# Altium PCB AD9434-500.PcbDoc (part 2 of 2)
Units mm, origin at the board's own origin, x right, y up, seen from the top; angles counter-clockwise.
Board outline 58.29 x 40.26 mm, 4 copper layers (Top Layer, Layer 1, Layer 2, Bottom Layer), stack 1.603 mm thick; 105 components, 73 nets, 544 pads, 963 vias.
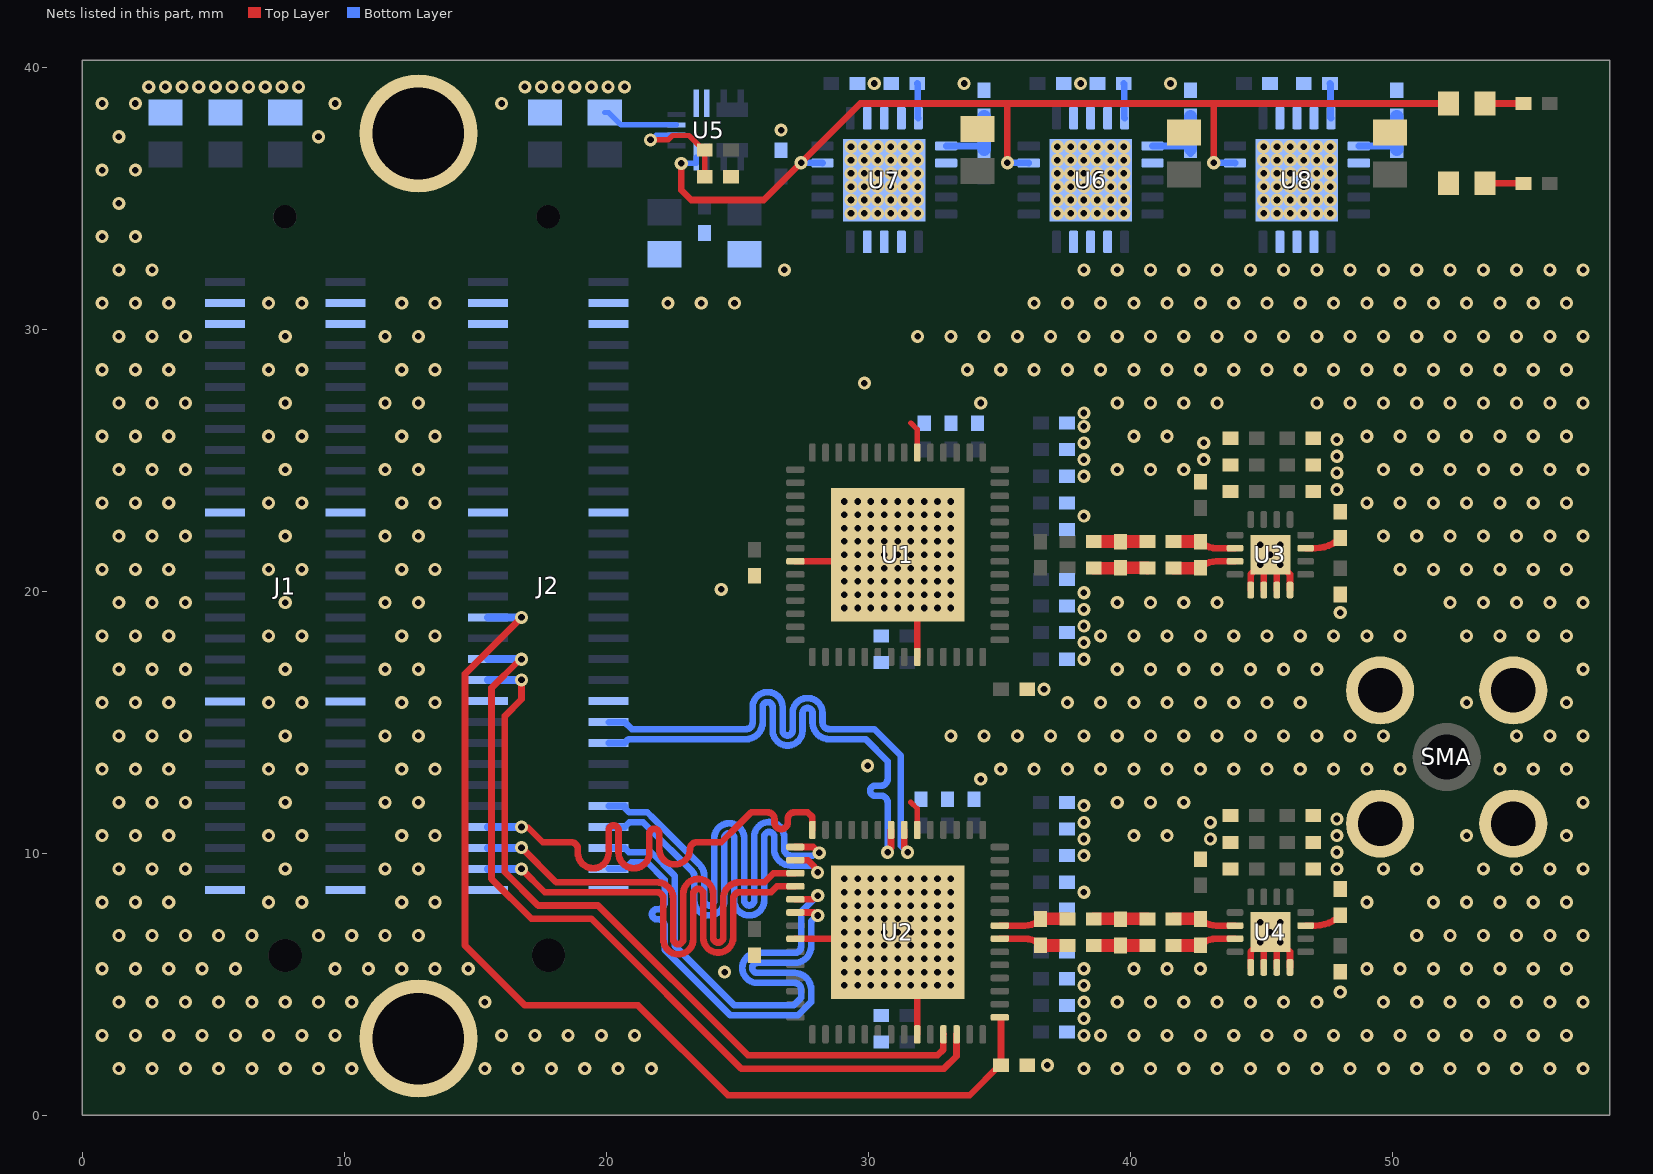
[diagram p4: the nets of this part, all layers, seen from the top]

## Via types
v1: diameter 0.5, hole 0.25, Top Layer to Bottom Layer, tented both sides, 963 vias

## Nets (pads, with @x,y where several pads share a name; then routed paths per layer and width w, separated by ;. In a path a pad name is that pad's centre, name@x,y a point inside that pad or via, vN(x,y) a via of type N, cw(c..) or ccw(c..) an arc to the next point about the centre after c; other vN are vias at no path point) (continued)
B_D2/D8_P: J2.57 U2.56 | length 20.4
  Top Layer w0.254: v1(16.764,10.998) 16.792,10.97 17.019,10.97 17.556,10.433 17.575,10.414 18.659,10.414 cw(c18.659,10.16) 18.913,10.16 18.913,10.01 ccw(c19.5,10.01) 19.5,9.424 ccw(c19.5,10.01) 20.087,10.01 20.087,10.87 cw(c20.277,10.87) 20.277,11.06 cw(c20.277,10.87) 20.468,10.87 20.468,10.01 ccw(c21.054,10.01) 21.054,9.424 ccw(c21.054,10.01) 21.641,10.01 21.641,10.74 cw(c21.832,10.74) 21.832,10.93 cw(c21.832,10.74) 22.022,10.74 22.022,10.16 ccw(c22.609,10.16) 22.609,9.573 ccw(c22.609,10.16) 23.196,10.16 cw(c23.45,10.16) 23.45,10.414 24.384,10.414 25.058,11.088 25.527,11.557 26.162,11.557 cw(c26.162,11.303) 26.416,11.303 26.416,11.172 ccw(c26.67,11.172) 26.924,11.172 26.924,11.303 cw(c27.178,11.303) 27.178,11.557 27.686,11.557 27.863,11.38 27.863,10.887 U2.56@27.865,10.885
  Bottom Layer w0.305: J2.57@15.491,11 v1@16.763,11
  Bottom Layer w0.381: v1@16.763,11 v1(16.764,10.998)
B_D3/D9_N: J2.26 U2.1 | length 20.5
  Top Layer w0.254: U2.1@27.215,10.235 27.896,10.235 28.118,10.013 v1(28.126,10.013)
  Bottom Layer w0.254: J2.26@20.09,11.801 20.699,11.801 20.725,11.775 20.725,11.706 20.874,11.557 21.566,11.557 21.583,11.54 21.806,11.317 23.552,9.571 cw(c23.103,9.122) 23.738,9.122 23.738,8.195 ccw(c23.929,8.195) 23.929,8.005 ccw(c23.929,8.195) 24.119,8.195 24.119,10.569 cw(c24.691,10.569) 24.691,11.141 cw(c24.691,10.569) 25.262,10.569 25.262,8.195 ccw(c25.453,8.195) 25.453,8.005 ccw(c25.453,8.195) 25.643,8.195 25.643,10.619 cw(c26.215,10.619) 26.215,11.19 cw(c26.215,10.619) 26.786,10.619 26.786,10.16 ccw(c27.04,10.16) 27.04,9.906 27.871,9.906
B_D3/D9_P: J2.27 U2.2 | length 20.5
  Top Layer w0.254: U2.2@27.215,9.735 27.689,9.735 27.94,9.483 27.94,9.457 28.063,9.334 v1(28.063,9.267)
  Bottom Layer w0.254: J2.27@20.09,11.001 20.699,11.001 J2.27@20.725,11.026 ; J2.27@20.725,11.027 20.874,11.176 21.408,11.176 21.425,11.159 21.579,11.005 23.283,9.301 cw(c23.103,9.122) 23.357,9.122 23.357,8.195 ccw(c23.929,8.195) 23.929,7.624 ccw(c23.929,8.195) 24.5,8.195 24.5,10.569 cw(c24.691,10.569) 24.691,10.76 cw(c24.691,10.569) 24.881,10.569 24.881,8.195 ccw(c25.453,8.195) 25.453,7.624 ccw(c25.453,8.195) 26.024,8.195 26.024,10.619 cw(c26.215,10.619) 26.215,10.809 cw(c26.215,10.619) 26.405,10.619 26.405,10.16 ccw(c27.04,10.16) 27.04,9.525 27.871,9.525
B_D4/D10_N: J2.58 U2.3 | length 20.6
  Top Layer w0.254: v1(16.764,10.211) 18.085,8.89 20.84,8.89 21.92,8.89 cw(c21.92,8.255) 22.555,8.255 22.555,6.716 ccw(c22.745,6.716) 22.936,6.716 22.936,8.446 cw(c23.507,8.446) 24.079,8.446 24.079,6.777 ccw(c24.269,6.777) 24.46,6.777 24.46,8.255 cw(c25.095,8.255) 25.095,8.89 25.893,8.89 26.035,8.89 26.38,9.235 U2.3@27.215,9.235
  Bottom Layer w0.305: J2.58@15.49,10.201 v1@16.754,10.201
  Bottom Layer w0.381: v1@16.759,10.206 v1(16.764,10.211)
B_D4/D10_P: J2.59 U2.4 | length 20.4
  Top Layer w0.254: v1(16.764,9.398) 17.653,8.509 20.84,8.509 21.92,8.509 cw(c21.92,8.255) 22.174,8.255 22.174,6.716 ccw(c22.745,6.716) 23.317,6.716 23.317,8.446 cw(c23.507,8.446) 23.698,8.446 23.698,6.777 ccw(c24.269,6.777) 24.841,6.777 24.841,8.255 cw(c25.095,8.255) 25.095,8.509 25.893,8.509 26.289,8.509 26.515,8.735 U2.4@27.215,8.735
  Bottom Layer w0.305: J2.59@15.491,9.399 v1@16.763,9.399
  Bottom Layer w0.381: v1@16.763,9.399 v1(16.764,9.398)
B_D5/D11_N: J2.28 U2.5 | length 20.4
  Top Layer w0.254: U2.5@27.215,8.235 27.88,8.235 28.027,8.382 v1(28.067,8.382)
  Bottom Layer w0.254: J2.28@20.09,10.201 20.699,10.201 20.867,10.033 21.717,10.033 22.606,9.144 22.606,6.477 24.892,4.191 27.147,4.191 27.435,4.479 27.435,4.796 ccw(c27.181,4.796) 27.181,5.05 25.761,5.05 cw(c25.761,5.622) 25.19,5.622 cw(c25.761,5.622) 25.761,6.193 27.181,6.193 ccw(c27.181,6.447) 27.435,6.447 27.435,7.354 27.435,7.75 v1(28.067,8.382)
B_D5/D11_P: J2.29 U2.6 | length 20.7
  Top Layer w0.254: U2.6@27.215,7.735 27.912,7.735 28.027,7.62 v1(28.067,7.62)
  Bottom Layer w0.254: J2.29@20.09,9.401 20.699,9.401 20.951,9.652 21.559,9.652 22.225,8.986 22.225,8.621 22.225,8.113 cw(c21.971,8.113) 21.971,7.859 21.935,7.859 ccw(c21.935,7.668) 21.935,7.478 21.971,7.478 cw(c21.971,7.224) 22.225,7.224 22.225,6.464 22.225,6.319 24.734,3.81 27.305,3.81 27.816,4.321 27.816,4.479 27.816,4.796 ccw(c27.181,4.796) 27.181,5.431 25.761,5.431 cw(c25.761,5.622) 25.571,5.622 cw(c25.761,5.622) 25.761,5.812 27.181,5.812 ccw(c27.181,6.447) 27.816,6.447 27.816,7.354 27.816,7.398 28.038,7.62 v1(28.067,7.62)
B_DCO_N: J2.22 U2.49 | length 20.7
  Top Layer w0.254: U2.49@31.365,10.885 31.365,10.204 31.496,10.073 v1(31.496,10.033)
  Bottom Layer w0.254: J2.22@20.09,15.001 20.699,15.001 20.968,14.732 25.013,14.732 25.33,14.732 ccw(c25.33,14.986) 25.584,14.986 25.584,15.574 cw(c26.156,15.574) 26.727,15.574 26.727,14.68 ccw(c26.918,14.68) 27.108,14.68 27.108,15.348 cw(c27.68,15.348) 28.251,15.348 28.251,14.986 ccw(c28.505,14.986) 28.505,14.732 29.874,14.732 30.226,14.732 31.242,13.716 31.242,10.287 v1(31.496,10.033)
B_DCO_P: J2.23 U2.50 | length 20.7
  Top Layer w0.254: v1(30.734,10.033) 30.734,10.073 30.865,10.204 U2.50@30.865,10.885
  Bottom Layer w0.254: J2.23@20.09,14.201 20.699,14.201 20.85,14.351 25.013,14.351 25.33,14.351 ccw(c25.33,14.986) 25.965,14.986 25.965,15.574 cw(c26.156,15.574) 26.346,15.574 26.346,14.68 ccw(c26.918,14.68) 27.489,14.68 27.489,15.348 cw(c27.68,15.348) 27.87,15.348 27.87,14.986 ccw(c28.505,14.986) 28.505,14.351 29.874,14.351 29.889,14.351 30.734,13.506 30.734,13.335 30.734,12.827 cw(c30.48,12.827) 30.48,12.573 30.26,12.573 ccw(c30.26,12.382) 30.26,12.192 30.48,12.192 cw(c30.48,11.938) 30.734,11.938 30.734,11.176 v1(30.734,10.033)
B_IN_N: C48.2 L8.2 U2.36 | length 2.7
  Top Layer w0.254: U2.36@35.015,7.235 35.972,7.235 ccw(c35.972,8.089) C48.2@36.576,7.485 C48.2@36.584,7.493
  Top Layer w0.483: C48.2@36.584,7.493 L8.2@37.6,7.493
B_IN_P: C48.1 L6.2 U2.35 | length 2.7
  Top Layer w0.254: U2.35@35.015,6.735 35.972,6.735 cw(c35.972,5.881) C48.1@36.576,6.485 C48.1@36.584,6.477
  Top Layer w0.483: C48.1@36.584,6.477 L6.2@37.6,6.477
B_PWDN: J2.47 R2.2 U2.29 | length 39.9
  Top Layer w0.254: v1(16.764,18.999) 14.605,16.84 14.605,6.477 16.891,4.191 21.209,4.191 24.638,0.762 33.867,0.762 35.01,1.905 R2.2@35.06,1.905 35.06,3.733 35.058,3.735 U2.29@35.015,3.735
  Bottom Layer w0.305: J2.47@15.49,19.001 16.762,19.001 v1(16.764,18.999)
B_SCLK: J2.49 U2.26 | length 31.9
  Top Layer w0.254: v1(16.764,17.399) 16.724,17.399 16.651,17.326 16.64,17.326 15.621,16.307 15.621,9.017 17.137,7.501 19.423,7.501 25.146,1.778 32.893,1.778 33.365,2.25 U2.26@33.365,3.085
  Bottom Layer w0.305: J2.49@15.49,17.401 16.762,17.401 v1(16.764,17.399)
B_SDIO: J2.50 U2.25 | length 29.2
  Top Layer w0.254: v1(16.764,16.612) 16.764,15.875 16.129,15.24 16.129,9.271 17.399,8.001 19.685,8.001 25.4,2.286 32.639,2.286 32.863,2.51 32.863,3.083 U2.25@32.865,3.085
  Bottom Layer w0.305: J2.50@15.49,16.601 16.753,16.601 v1(16.764,16.612)
GND: C1.2 C2.2 C3.2 C4.2 C5.2 C6.2 C7.2 C8.2 C9.2 C10.2 C11.2 C12.2 C13.2 C14.2 C15.2 C16.2 C17.2 C18.2 C19.2 C20.2 C21.2 C22.2 C23.2 C24.2 C25.2 C26.2 C27.2 C28.2 C29.2 C30.2 C31.2 C32.2 C33.2 C34.2 C35.2 C36.2 C37.2 C38.2 C39.2 C40.2 C41.2 C42.2 C49.2 C50.2 C51.2 C52.2 C53.2 C54.2 C55.2 C56.2 C57.2 C58.2 C59.2 C60.2 C61.2 C62.2 C63.2 C64.2 C65.2 C66.2 C67.2 C68.2 D2.1 J1.2 J1.3 J1.12 J1.21 J1.30 J1.32 J1.33 J1.42 J1.51 J1.60 J2.2 J2.3 J2.12 J2.21 J2.30 J2.32 J2.33 J2.42 J2.51 J2.60 pad.5 R1.1 R2.1 R3.2 R4.2 R5.2 R6.1 R8.2 R10.2 R12.2 R14.2 SMA.2 SMA.3 SMA.4 SMA.5 U1.8 U1.23 U1.48 U1.57 U2.8 U2.23 U2.48 U2.57 U3.13 U3.14 U3.15 U3.16 U3.17 U4.13 U4.14 U4.15 U4.16 U4.17 U5.1 U5.2 U5.11 U6.2 U6.3 U6.4 U6.12 U6.13 U6.14 U6.17 U6.21 U7.2 U7.3 U7.4 U7.12 U7.13 U7.14 U7.17 U7.21 U8.2 U8.3 U8.4 U8.12 U8.13 U8.14 U8.17 U8.21 | length 31.2
  Top Layer w0.203: 31.623,11.938 31.865,11.696 U2.48@31.865,10.885 ; 31.623,26.416 31.865,26.174 U1.48@31.865,25.287
  Top Layer w0.254: U2.8@27.215,6.735 29.333,6.735 v1(29.591,6.477) ; U1.8@27.215,21.137 30.865,21.137 v1(31.115,21.387) 31.865,20.637 U1.23@31.865,17.487 ; v1(31.115,6.985) 31.865,6.235 U2.23@31.865,3.085 ; U4.13@44.589,5.639 44.589,6.235 U4.17@45.089,6.735 ; U3.13@44.589,20.041 44.589,20.637 U3.17@45.089,21.137 ; U4.14@45.089,5.639 U4.17@45.089,6.735 ; U3.14@45.089,20.041 U3.17@45.089,21.137 ; U4.15@45.589,5.639 U4.17@45.589,6.735 ; U3.15@45.589,20.041 U3.17@45.589,21.137 ; U4.16@46.089,5.639 46.089,6.235 U4.17@45.589,6.735 ; U3.16@46.089,20.041 46.089,20.637 U3.17@45.589,21.137 ; U4.17@45.089,6.735 v1(45.339,6.985) U4.17@45.589,6.735 ; U3.17@45.089,21.137 v1(45.339,21.387) U3.17@45.589,21.137
  Bottom Layer w0.203: C67.2@19.939,38.265 20.089,38.265 20.562,37.792 U5.11@22.68,37.792
  other v1: 1.397,1.778 2.667,1.778 3.937,1.778 5.207,1.778 6.477,1.778 7.747,1.778 9.017,1.778 10.287,1.778 15.367,1.778 16.637,1.778 17.907,1.778 19.177,1.778 20.447,1.778 21.717,1.778 38.227,1.778 39.497,1.778 40.767,1.778 42.037,1.778 43.307,1.778 44.577,1.778 45.847,1.778 47.117,1.778 48.387,1.778 49.657,1.778 50.927,1.778 52.197,1.778 53.467,1.778 54.737,1.778 56.007,1.778 57.277,1.778 36.83,1.905 0.762,3.048 2.032,3.048 3.302,3.048 4.572,3.048 5.842,3.048 7.112,3.048 8.382,3.048 9.652,3.048 16.002,3.048 17.272,3.048 18.542,3.048 19.812,3.048 21.082,3.048 38.227,3.048 38.862,3.048 40.132,3.048 41.402,3.048 42.672,3.048 43.942,3.048 45.212,3.048 46.482,3.048 47.752,3.048 49.022,3.048 50.292,3.048 51.562,3.048 52.832,3.048 54.102,3.048 55.372,3.048 56.642,3.048 38.227,3.683 1.397,4.318 2.667,4.318 3.937,4.318 5.207,4.318 6.477,4.318 7.747,4.318 9.017,4.318 10.287,4.318 15.367,4.318 38.227,4.318 39.497,4.318 40.767,4.318 42.037,4.318 43.307,4.318 44.577,4.318 45.847,4.318 47.117,4.318 49.657,4.318 50.927,4.318 52.197,4.318 53.467,4.318 54.737,4.318 56.007,4.318 57.277,4.318 48.006,4.699 29.083,4.953 29.591,4.953 30.099,4.953 30.607,4.953 31.115,4.953 31.623,4.953 32.131,4.953 32.639,4.953 33.147,4.953 38.227,4.953 24.511,5.461 29.083,5.461 29.591,5.461 30.099,5.461 30.607,5.461 31.115,5.461 31.623,5.461 32.131,5.461 32.639,5.461 33.147,5.461 0.762,5.588 2.032,5.588 3.302,5.588 4.572,5.588 5.842,5.588 9.652,5.588 10.922,5.588 12.192,5.588 13.462,5.588 14.732,5.588 38.227,5.588 40.132,5.588 41.402,5.588 42.672,5.588 49.022,5.588 50.292,5.588 51.562,5.588 52.832,5.588 54.102,5.588 55.372,5.588 56.642,5.588 29.083,5.969 29.591,5.969 30.099,5.969 30.607,5.969 31.115,5.969 31.623,5.969 32.131,5.969 32.639,5.969 33.147,5.969 29.083,6.477 30.099,6.477 30.607,6.477 31.115,6.477 31.623,6.477 32.131,6.477 32.639,6.477 33.147,6.477 44.958,6.604 45.72,6.604 1.397,6.858 2.667,6.858 3.937,6.858 5.207,6.858 6.477,6.858 9.017,6.858 10.287,6.858 11.557,6.858 12.827,6.858 50.927,6.858 52.197,6.858 53.467,6.858 54.737,6.858 56.007,6.858 57.277,6.858 29.083,6.985 29.591,6.985 30.099,6.985 30.607,6.985 31.623,6.985 32.131,6.985 32.639,6.985 33.147,6.985 44.958,7.366 45.72,7.366 29.083,7.493 29.591,7.493 30.099,7.493 30.607,7.493 31.115,7.493 31.623,7.493 32.131,7.493 32.639,7.493 33.147,7.493 29.083,8.001 29.591,8.001 30.099,8.001 30.607,8.001 31.115,8.001 31.623,8.001 32.131,8.001 32.639,8.001 33.147,8.001 0.762,8.128 2.032,8.128 3.302,8.128 7.112,8.128 8.382,8.128 12.192,8.128 13.462,8.128 49.022,8.128 51.562,8.128 52.832,8.128 54.102,8.128 55.372,8.128 56.642,8.128 29.083,8.509 29.591,8.509 30.099,8.509 30.607,8.509 31.115,8.509 31.623,8.509 32.131,8.509 32.639,8.509 33.147,8.509 38.227,8.509 29.083,9.017 29.591,9.017 30.099,9.017 30.607,9.017 31.115,9.017 31.623,9.017 32.131,9.017 32.639,9.017 33.147,9.017 1.397,9.398 2.667,9.398 3.937,9.398 7.747,9.398 11.557,9.398 12.827,9.398 47.879,9.398 49.657,9.398 50.927,9.398 53.467,9.398 54.737,9.398 56.007,9.398 57.277,9.398 38.227,9.906 47.879,10.033 38.227,10.541 43.053,10.541 0.762,10.668 2.032,10.668 3.302,10.668 7.112,10.668 8.382,10.668 12.192,10.668 13.462,10.668 40.132,10.668 41.402,10.668 47.879,10.668 52.832,10.668 56.642,10.668 38.227,11.176 43.053,11.176 47.879,11.303 38.227,11.811 1.397,11.938 2.667,11.938 3.937,11.938 7.747,11.938 11.557,11.938 12.827,11.938 39.497,11.938 40.767,11.938 42.037,11.938 57.277,11.938 34.29,12.827 0.762,13.208 2.032,13.208 3.302,13.208 7.112,13.208 8.382,13.208 12.192,13.208 13.462,13.208 35.052,13.208 36.322,13.208 37.592,13.208 38.862,13.208 40.132,13.208 41.402,13.208 42.672,13.208 43.942,13.208 45.212,13.208 46.482,13.208 47.752,13.208 49.022,13.208 50.292,13.208 54.102,13.208 55.372,13.208 56.642,13.208 29.972,13.335 1.397,14.478 2.667,14.478 3.937,14.478 7.747,14.478 11.557,14.478 12.827,14.478 33.147,14.478 34.417,14.478 35.687,14.478 36.957,14.478 38.227,14.478 39.497,14.478 40.767,14.478 42.037,14.478 43.307,14.478 44.577,14.478 45.847,14.478 47.117,14.478 48.387,14.478 49.657,14.478 54.737,14.478 56.007,14.478 57.277,14.478 0.762,15.748 2.032,15.748 3.302,15.748 7.112,15.748 8.382,15.748 12.192,15.748 13.462,15.748 37.592,15.748 38.862,15.748 40.132,15.748 41.402,15.748 42.672,15.748 43.942,15.748 45.212,15.748 46.482,15.748 52.832,15.748 56.642,15.748 36.703,16.256 1.397,17.018 2.667,17.018 3.937,17.018 7.747,17.018 11.557,17.018 12.827,17.018 39.497,17.018 40.767,17.018 42.037,17.018 43.307,17.018 44.577,17.018 45.847,17.018 47.117,17.018 57.277,17.018 38.227,17.399 38.227,18.034 0.762,18.288 2.032,18.288 3.302,18.288 7.112,18.288 8.382,18.288 12.192,18.288 13.462,18.288 38.862,18.288 40.132,18.288 41.402,18.288 42.672,18.288 43.942,18.288 45.212,18.288 46.482,18.288 47.752,18.288 49.022,18.288 50.292,18.288 52.832,18.288 54.102,18.288 55.372,18.288 56.642,18.288 38.227,18.669 48.006,19.177 38.227,19.304 29.083,19.355 29.591,19.355 30.099,19.355 30.607,19.355 31.115,19.355 31.623,19.355 32.131,19.355 32.639,19.355 33.147,19.355 1.397,19.558 2.667,19.558 3.937,19.558 7.747,19.558 11.557,19.558 12.827,19.558 39.497,19.558 40.767,19.558 42.037,19.558 43.307,19.558 52.197,19.558 53.467,19.558 54.737,19.558 56.007,19.558 57.277,19.558 29.083,19.863 29.591,19.863 30.099,19.863 30.607,19.863 31.115,19.863 31.623,19.863 32.131,19.863 32.639,19.863 33.147,19.863 38.227,19.939 24.384,20.066 29.083,20.371 29.591,20.371 30.099,20.371 30.607,20.371 31.115,20.371 31.623,20.371 32.131,20.371 32.639,20.371 33.147,20.371 0.762,20.828 2.032,20.828 3.302,20.828 7.112,20.828 8.382,20.828 12.192,20.828 13.462,20.828 50.292,20.828 51.562,20.828 52.832,20.828 54.102,20.828 55.372,20.828 56.642,20.828 29.083,20.879 29.591,20.879 30.099,20.879 30.607,20.879 31.115,20.879 31.623,20.879 32.131,20.879 32.639,20.879 33.147,20.879 44.958,21.006 45.72,21.006 29.083,21.387 29.591,21.387 30.099,21.387 30.607,21.387 31.623,21.387 32.131,21.387 32.639,21.387 33.147,21.387 44.958,21.768 45.72,21.768 29.083,21.895 29.591,21.895 30.099,21.895 30.607,21.895 31.115,21.895 31.623,21.895 32.131,21.895 32.639,21.895 33.147,21.895 1.397,22.098 2.667,22.098 3.937,22.098 7.747,22.098 11.557,22.098 12.827,22.098 49.657,22.098 50.927,22.098 52.197,22.098 53.467,22.098 54.737,22.098 56.007,22.098 57.277,22.098 29.083,22.403 29.591,22.403 30.099,22.403 30.607,22.403 31.115,22.403 31.623,22.403 32.131,22.403 32.639,22.403 33.147,22.403 38.227,22.86 29.083,22.911 29.591,22.911 30.099,22.911 30.607,22.911 31.115,22.911 31.623,22.911 32.131,22.911 32.639,22.911 33.147,22.911 0.762,23.368 2.032,23.368 3.302,23.368 7.112,23.368 8.382,23.368 12.192,23.368 13.462,23.368 49.022,23.368 50.292,23.368 51.562,23.368 52.832,23.368 54.102,23.368 55.372,23.368 56.642,23.368 29.083,23.419 29.591,23.419 30.099,23.419 30.607,23.419 31.115,23.419 31.623,23.419 32.131,23.419 32.639,23.419 33.147,23.419 47.879,23.876 38.227,24.384 47.879,24.511 1.397,24.638 2.667,24.638 3.937,24.638 7.747,24.638 11.557,24.638 12.827,24.638 39.497,24.638 40.767,24.638 42.037,24.638 49.657,24.638 50.927,24.638 52.197,24.638 53.467,24.638 54.737,24.638 56.007,24.638 57.277,24.638 38.227,25.019 42.799,25.019 47.879,25.146 38.227,25.654 42.799,25.654 47.879,25.781 0.762,25.908 2.032,25.908 3.302,25.908 7.112,25.908 8.382,25.908 12.192,25.908 13.462,25.908 40.132,25.908 41.402,25.908 49.022,25.908 50.292,25.908 51.562,25.908 52.832,25.908 54.102,25.908 55.372,25.908 56.642,25.908 38.227,26.289 38.227,26.797 1.397,27.178 2.667,27.178 3.937,27.178 7.747,27.178 11.557,27.178 12.827,27.178 34.29,27.178 39.497,27.178 40.767,27.178 42.037,27.178 43.307,27.178 47.117,27.178 48.387,27.178 49.657,27.178 50.927,27.178 52.197,27.178 53.467,27.178 54.737,27.178 56.007,27.178 57.277,27.178 29.845,27.94 0.762,28.448 2.032,28.448 3.302,28.448 7.112,28.448 8.382,28.448 12.192,28.448 13.462,28.448 33.782,28.448 35.052,28.448 36.322,28.448 37.592,28.448 38.862,28.448 40.132,28.448 41.402,28.448 42.672,28.448 43.942,28.448 45.212,28.448 46.482,28.448 47.752,28.448 49.022,28.448 50.292,28.448 51.562,28.448 52.832,28.448 54.102,28.448 55.372,28.448 56.642,28.448 1.397,29.718 2.667,29.718 3.937,29.718 7.747,29.718 11.557,29.718 12.827,29.718 31.877,29.718 33.147,29.718 34.417,29.718 35.687,29.718 36.957,29.718 38.227,29.718 39.497,29.718 40.767,29.718 42.037,29.718 43.307,29.718 44.577,29.718 45.847,29.718 47.117,29.718 48.387,29.718 49.657,29.718 50.927,29.718 52.197,29.718 53.467,29.718 54.737,29.718 56.007,29.718 57.277,29.718 0.762,30.988 2.032,30.988 3.302,30.988 7.112,30.988 8.382,30.988 12.192,30.988 13.462,30.988 22.352,30.988 23.622,30.988 24.892,30.988 36.322,30.988 37.592,30.988 38.862,30.988 40.132,30.988 41.402,30.988 42.672,30.988 43.942,30.988 45.212,30.988 46.482,30.988 47.752,30.988 49.022,30.988 50.292,30.988 51.562,30.988 52.832,30.988 54.102,30.988 55.372,30.988 56.642,30.988 1.397,32.258 2.667,32.258 26.797,32.258 38.227,32.258 39.497,32.258 40.767,32.258 42.037,32.258 43.307,32.258 44.577,32.258 45.847,32.258 47.117,32.258 48.387,32.258 49.657,32.258 50.927,32.258 52.197,32.258 53.467,32.258 54.737,32.258 56.007,32.258 57.277,32.258 0.762,33.528 2.032,33.528 29.337,34.417 29.845,34.417 30.353,34.417 30.861,34.417 31.369,34.417 31.877,34.417 37.211,34.417 37.719,34.417 38.227,34.417 38.735,34.417 39.243,34.417 39.751,34.417 45.085,34.417 45.593,34.417 46.101,34.417 46.609,34.417 47.117,34.417 47.625,34.417 1.397,34.798 29.337,34.925 29.845,34.925 30.353,34.925 30.861,34.925 31.369,34.925 31.877,34.925 37.211,34.925 37.719,34.925 38.227,34.925 38.735,34.925 39.243,34.925 39.751,34.925 45.085,34.925 45.593,34.925 46.101,34.925 46.609,34.925 47.117,34.925 47.625,34.925 29.337,35.433 29.845,35.433 30.353,35.433 30.861,35.433 31.369,35.433 31.877,35.433 37.211,35.433 37.719,35.433 38.227,35.433 38.735,35.433 39.243,35.433 39.751,35.433 45.085,35.433 45.593,35.433 46.101,35.433 46.609,35.433 47.117,35.433 47.625,35.433 29.337,35.941 29.845,35.941 30.353,35.941 30.861,35.941 31.369,35.941 31.877,35.941 37.211,35.941 37.719,35.941 38.227,35.941 38.735,35.941 39.243,35.941 39.751,35.941 45.085,35.941 45.593,35.941 46.101,35.941 46.609,35.941 47.117,35.941 47.625,35.941 0.762,36.068 2.032,36.068 29.337,36.449 29.845,36.449 30.353,36.449 30.861,36.449 31.369,36.449 31.877,36.449 37.211,36.449 37.719,36.449 38.227,36.449 38.735,36.449 39.243,36.449 39.751,36.449 45.085,36.449 45.593,36.449 46.101,36.449 46.609,36.449 47.117,36.449 47.625,36.449 29.337,36.957 29.845,36.957 30.353,36.957 30.861,36.957 31.369,36.957 31.877,36.957 37.211,36.957 37.719,36.957 38.227,36.957 38.735,36.957 39.243,36.957 39.751,36.957 45.085,36.957 45.593,36.957 46.101,36.957 46.609,36.957 47.117,36.957 47.625,36.957 1.397,37.338 9.017,37.338 26.67,37.592 0.762,38.608 2.032,38.608 9.652,38.608 16.002,38.608 2.54,39.243 3.175,39.243 3.81,39.243 4.445,39.243 5.08,39.243 5.715,39.243 6.35,39.243 6.985,39.243 7.62,39.243 8.255,39.243 16.891,39.243 17.526,39.243 18.161,39.243 18.796,39.243 19.431,39.243 20.066,39.243 20.701,39.243 30.226,39.37 33.655,39.37 38.1,39.37 41.529,39.37
NetC43_1: C43.1 L1.1 U3.11 | length 2.4
  Top Layer w0.254: C43.1@42.664,20.879 cw(c43.287,20.256) C43.1@42.672,20.887 cw(c43.287,20.256) 43.287,21.137 U3.11@43.993,21.137
  Top Layer w0.483: L1.1@41.648,20.879 C43.1@42.664,20.879
NetC43_2: C43.2 L3.1 U3.10 | length 2.4
  Top Layer w0.254: C43.2@42.664,21.895 ccw(c43.287,22.518) C43.2@42.672,21.887 ccw(c43.287,22.518) 43.287,21.637 U3.10@43.993,21.637
  Top Layer w0.483: L3.1@41.648,21.895 C43.2@42.664,21.895
NetC44_1: C44.1 L1.2 L2.1 | length 2.1
  Top Layer w0.254: C44.1@39.616,20.879 C44.1@39.624,20.887
  Top Layer w0.483: L2.1@38.6,20.879 C44.1@39.616,20.879 ; C44.1@39.624,20.887 40.64,20.887 L1.2@40.648,20.879
NetC44_2: C44.2 L3.2 L4.1 | length 2
  Top Layer w0.254: C44.2@39.616,21.895 C44.2@39.624,21.887
  Top Layer w0.483: L4.1@38.6,21.895 C44.2@39.616,21.895 ; C44.2@39.632,21.895 L3.2@40.648,21.895
NetC46_1: C46.1 L5.1 U4.11 | length 2.4
  Top Layer w0.254: C46.1@42.664,6.477 C46.1@42.672,6.485 cw(c43.276,5.881) 43.276,6.735 U4.11@43.993,6.735
  Top Layer w0.483: L5.1@41.648,6.477 C46.1@42.664,6.477
NetC46_2: C46.2 L7.1 U4.10 | length 2.4
  Top Layer w0.254: C46.2@42.664,7.493 ccw(c43.287,8.116) C46.2@42.672,7.485 ccw(c43.287,8.116) 43.287,7.235 U4.10@43.993,7.235
  Top Layer w0.483: L7.1@41.648,7.493 C46.2@42.664,7.493
NetC47_1: C47.1 L5.2 L6.1 | length 2
  Top Layer w0.483: L6.1@38.6,6.477 L5.2@40.648,6.477
NetC47_2: C47.2 L7.2 L8.1 | length 2
  Top Layer w0.483: L8.1@38.6,7.493 L7.2@40.648,7.493
NetC51_1: C51.1 U6.15 | length 1.3
  Bottom Layer w0.254: C51.1@39.743,39.37 39.762,39.351 39.762,38.066 U6.15@39.781,38.047
NetC59_1: C59.1 U8.15 | length 1.3
  Bottom Layer w0.254: C59.1@47.617,39.37 47.636,39.351 47.636,38.066 U8.15@47.655,38.047
NetC63_1: C63.1 U7.15 | length 1.3
  Bottom Layer w0.254: C63.1@31.869,39.37 31.888,39.351 31.888,38.066 U7.15@31.907,38.047
NetD1_1: D1.1 R15.2 | length 1.5
  Top Layer w0.254: D1.1@53.532,38.608 R15.2@54.999,38.608
NetD2_2: D2.2 R16.1 | length 1.5
  Top Layer w0.254: D2.2@53.532,35.56 R16.1@54.999,35.56
NetR5_1: R5.1 U3.3 | length 1.4
  Top Layer w0.254: U3.3@46.685,21.637 47.057,21.637 ccw(c47.057,22.979) R5.1@48.006,22.03
NetR6_2: R6.2 U4.3 | length 1.4
  Top Layer w0.254: U4.3@46.685,7.235 47.057,7.235 ccw(c47.057,8.577) R6.2@48.006,7.628
NetR7_2: R7.2 R8.1 U5.10 | length 4.5
  Top Layer w0.203: v1(21.686,37.221) 22.36,37.221 22.528,37.389 23.148,37.389 23.707,36.83 R7.2@23.757,36.83 R8.1@23.757,35.814
  Bottom Layer w0.203: v1(21.686,37.221) 21.74,37.221 21.91,37.392 U5.10@22.68,37.392
NetR9_2: R9.2 R10.1 U6.16 | length 2.8
  Bottom Layer w0.254: U6.16@40.841,36.987 42.168,36.987 42.291,36.864 R9.2@42.291,36.822 ; R9.2@42.291,36.695 R9.2@42.291,36.745
  Bottom Layer w0.508: R9.2@42.291,36.872 R10.1@42.291,38.108
NetR11_2: R11.2 R12.1 U7.16 | length 2.8
  Bottom Layer w0.254: U7.16@32.967,36.987 34.294,36.987 34.417,36.864 R11.2@34.417,36.822
  Bottom Layer w0.508: R11.2@34.417,36.864 R12.1@34.417,38.108
NetR13_2: R13.2 R14.1 U8.16 | length 2.8
  Bottom Layer w0.254: U8.16@48.715,36.987 50.042,36.987 50.165,36.864 R13.2@50.165,36.822
  Bottom Layer w0.508: R13.2@50.165,36.864 R14.1@50.165,38.108
PG_1: D1.2 U5.8 U6.9 U7.9 U8.9 | length 39.8
  Top Layer w0.254: v1(22.86,36.322) 22.86,35.306 23.241,34.925 26.01,34.925 v1(27.432,36.347) 29.693,38.608 35.306,38.608 ; v1(35.306,36.347) 35.306,38.608 ; v1(43.18,36.347) 43.18,38.608 ; D1.2@52.132,38.608 43.18,38.608 ; 35.306,38.608 43.18,38.608
  Bottom Layer w0.203: v1(22.86,36.322) 23.428,36.322 23.43,36.324 U5.8@23.43,36.567
  Bottom Layer w0.254: v1(27.432,36.347) 27.437,36.342 28.242,36.342 U7.9@28.247,36.337 ; v1(35.306,36.347) 35.311,36.342 36.116,36.342 U6.9@36.121,36.337 ; v1(43.18,36.347) 43.185,36.342 43.99,36.342 U8.9@43.995,36.337
pads on no net: J1.4 J1.5 J1.6 J1.7 J1.8 J1.9 J1.10 J1.11 J1.13 J1.14 J1.15 J1.16 J1.17 J1.18 J1.19 J1.20 J1.22 J1.23 J1.24 J1.25 J1.26 J1.27 J1.28 J1.29 J1.34 J1.35 J1.36 J1.37 J1.38 J1.39 J1.40 J1.41 J1.43 J1.44 J1.45 J1.46 J1.47 J1.48 J1.49 J1.50 J1.52 J1.53 J1.54 J1.55 J1.56 J1.57 J1.58 J1.59 J1.61 J1.62 J2.13 J2.14 J2.15 J2.16 J2.43 J2.44 J2.45 J2.46 J2.61 J2.62 U1.9 U1.10 U1.11 U1.12 U1.13 U1.14 U1.15 U1.16 U1.17 U1.18 U1.19 U1.20 U1.21 U1.22 U1.28 U1.31 U2.9 U2.10 U2.11 U2.12 U2.13 U2.14 U2.15 U2.16 U2.17 U2.18 U2.19 U2.20 U2.21 U2.22 U2.28 U2.31 U3.1 U3.4 U4.1 U4.4 U5.3 U5.4 U5.13

## Polygon pours and split planes (outlines as drawn)
GND on Top Layer "NONET_L-01_P-001" (solid, remove dead copper, pour order 34): 0.254,40.005 0.254,0.254 58.039,0.254 58.039,40.005
+1.8_A on Top Layer "NONET_L-01_P-001" (solid, remove dead copper, pour order 1): 35.314,23.262 35.77,23.262 36.063,22.963 36.063,22.248 35.827,22.012 35.617,22.012 34.702,22.012 34.665,22.048 34.665,23.225 34.702,23.262
+1.8_A on Top Layer "NONET_L-01_P-001" (solid, remove dead copper, pour order 5): 35.564,3.855 35.564,2.943 35.708,2.798 35.917,2.798 36.065,2.947 36.065,6.2 35.905,6.36 35.309,6.36 34.702,6.36 34.665,6.323 34.665,5.146 34.7,5.111 35.307,5.111 35.614,4.804 35.614,4.677 35.298,4.361 34.702,4.361 34.665,4.324 34.665,4.147 34.7,4.111 35.308,4.111
+1.8_A on Top Layer "NONET_L-01_P-001" (solid, remove dead copper, pour order 4): 36.064,17.295 35.917,17.149 35.712,17.149 35.565,17.296 35.565,18.25 35.303,18.512 34.702,18.512 34.665,18.548 34.665,18.726 34.701,18.761 35.309,18.761 35.614,19.067 35.614,19.205 35.308,19.512 34.702,19.512 34.665,19.548 34.665,20.726 34.701,20.762 35.302,20.762 35.855,20.762 36.064,20.553
+1.8_D on Top Layer "NONET_L-01_P-001" (solid, remove dead copper, pour order 25): 33.513,36.53 33.513,34.022 33.826,33.709 34.5,33.709 34.813,34.022 34.813,36.53
+1.8_A on Top Layer "NONET_L-01_P-001" (solid, remove dead copper, pour order 24): 41.387,36.403 41.387,33.895 41.7,33.582 42.374,33.582 42.687,33.895 42.687,36.403
+4 on Top Layer "NONET_L-01_P-001" (solid, remove dead copper, pour order 23): 49.261,36.403 49.261,33.895 49.574,33.582 50.248,33.582 50.561,33.895 50.561,36.403
+4 on Top Layer "NONET_L-01_P-001" (solid, remove dead copper, pour order 13): 44.557,26.793 44.441,26.677 44.441,22.474 44.498,22.416 46.18,22.416 46.365,22.601 46.365,26.676 46.248,26.793
+4 on Top Layer "NONET_L-01_P-001" (solid, remove dead copper, pour order 12): 44.557,12.392 44.441,12.275 44.441,8.072 44.498,8.014 46.18,8.014 46.365,8.199 46.365,12.275 46.248,12.392
+1.8_A on Top Layer "NONET_L-01_P-001" (solid, remove dead copper, pour order 2): 36.063,9.802 35.872,9.611 35.312,9.611 34.701,9.611 34.239,10.073 34.239,11.197 35.229,12.188 35.917,12.188 36.063,12.041
+1.8_A on Top Layer "NONET_L-01_P-001" (solid, remove dead copper, pour order 3): 34.701,8.86 34.665,8.824 34.665,7.646 34.701,7.61 35.311,7.61 35.772,7.61 36.064,7.902 36.064,8.614 35.817,8.86 35.309,8.86
+1.8_A on Top Layer "NONET_L-01_P-001" (solid, remove dead copper, pour order 0): 36.063,24.153 35.922,24.012 35.304,24.012 34.702,24.012 34.24,24.473 34.24,25.601 34.671,26.031 35.917,26.031 36.063,25.885
GND on Bottom Layer "NONET_L-01_P-001" (solid, remove dead copper, pour order 36): 58.039,40.005 58.039,0.254 0.254,0.254 0.254,40.005
+2 on Bottom Layer "NONET_L-01_P-001" (solid, remove dead copper, pour order 14): 26.42,36.122 26.92,36.122 27.189,35.857 28.672,35.857 28.672,34.066 28.986,33.752 29.477,33.752 29.477,32.938 30.029,32.385 33.821,32.385 35.695,34.259 35.695,35.857 36.546,35.857 36.546,34.066 36.86,33.752 37.35,33.752 37.35,32.928 34.648,30.226 29.083,30.226 27.051,32.258 27.051,32.826 25.922,33.955 24.623,33.955 24.623,34.958 24.205,35.375 24.205,37.092 25.45,37.092
+5 on Bottom Layer "NONET_L-01_P-001" (solid, remove dead copper, pour order 35): 44.42,35.857 43.593,35.857 43.488,35.751 43.488,33.191 43.778,32.902 45.225,32.902 45.225,33.752 44.791,33.752 44.42,34.124
+5 on Bottom Layer "NONET_L-01_P-001" (solid, remove dead copper, pour order 29): 28.672,36.817 28.672,37.308 28.986,37.622 29.477,37.622 29.477,38.526 28.883,39.12 28.883,39.62 28.679,39.824 27.731,39.824 27.613,39.707 27.613,37.05 27.846,36.817
+5 on Bottom Layer "NONET_L-01_P-001" (solid, remove dead copper, pour order 28): 36.546,36.817 36.546,37.308 36.86,37.622 37.351,37.622 37.351,38.526 36.757,39.12 36.757,39.62 36.553,39.824 35.605,39.824 35.487,39.707 35.487,37.05 35.72,36.817
+5 on Bottom Layer "NONET_L-01_P-001" (solid, remove dead copper, pour order 27): 44.42,36.817 44.42,37.308 44.734,37.622 45.225,37.622 45.225,38.526 44.631,39.12 44.631,39.62 44.427,39.824 43.479,39.824 43.361,39.707 43.361,37.05 43.594,36.817
+5 on Bottom Layer "NONET_L-01_P-001" (solid, remove dead copper, pour order 26): 23.999,35.728 23.93,35.797 23.93,37.092 23.73,37.092 23.73,35.795 23.622,35.687 22.733,35.687 22.33,36.09 22.33,36.681 22.541,36.892 23.03,36.892 23.03,37.092 22.33,37.092 22.195,36.957 20.796,36.957 20.589,37.164 16.971,37.164 14.351,34.544 11.049,34.544 8.429,37.164 2.525,37.164 2.525,33.801 4.685,31.641 20.828,31.641 20.828,33.207 21.577,33.955 23.091,33.955 23.499,34.363 23.999,34.363
+4 on Bottom Layer "NONET_L-01_P-001" (solid, remove dead copper, pour order 22): 48.29,34.066 47.976,33.752 47.485,33.752 47.485,32.902 49.44,32.902 50.415,33.877 50.415,36.122 49.915,36.122 49.65,35.857 48.29,35.857
+1.8_A on Bottom Layer "NONET_L-01_P-001" (solid, remove dead copper, pour order 21): 40.416,34.066 40.102,33.752 39.611,33.752 39.611,32.902 41.566,32.902 42.541,33.877 42.541,36.122 42.041,36.122 41.776,35.857 40.416,35.857
+1.8_D on Bottom Layer "NONET_L-01_P-001" (solid, remove dead copper, pour order 15): 32.542,34.066 32.228,33.752 31.737,33.752 31.737,32.902 33.692,32.902 34.667,33.877 34.667,36.122 34.167,36.122 33.902,35.857 32.542,35.857
+1.8_D on Bottom Layer "NONET_L-01_P-001" (solid, remove dead copper, pour order 11): 31.188,18.538 31.188,17.022 31.788,17.022 32.585,17.819 32.585,18.371 32.418,18.538
+1.8_D on Bottom Layer "NONET_L-01_P-001" (solid, remove dead copper, pour order 10): 31.188,4.06 31.188,2.544 31.788,2.544 32.585,3.341 32.585,3.893 32.418,4.06
+1.8_A on Bottom Layer "NONET_L-01_P-001" (solid, remove dead copper, pour order 7): 36.884,20.698 36.884,17.149 35.711,17.149 35.564,17.296 35.564,20.552 35.711,20.698
+1.8_A on Bottom Layer "NONET_L-01_P-001" (solid, remove dead copper, pour order 9): 36.884,2.925 36.756,2.797 35.712,2.797 35.563,2.946 35.563,6.197 35.838,6.473 36.884,6.473
+1.8_A on Bottom Layer "NONET_L-01_P-001" (solid, remove dead copper, pour order 8): 35.563,12.042 35.71,12.189 36.883,12.189 36.883,7.623 35.837,7.623 35.563,7.898
+1.8_A on Bottom Layer "NONET_L-01_P-001" (solid, remove dead copper, pour order 6): 36.281,26.666 35.563,25.948 35.563,22.251 35.71,22.103 36.884,22.103 36.884,26.666
+4 on Layer 2 "NONET_L-01_P-001" (solid, remove dead copper, pour order 20): 45.793,34.998 43.053,32.258 43.053,6.32 43.857,5.516 44.026,5.516 47.498,8.988 47.498,17.94 50.365,20.807 50.365,34.881 50.248,34.998
GND on Layer 2 "NONET_L-01_P-001" (solid, remove dead copper, pour order 32): 0.254,40.005 0.254,0.254 58.039,0.254 58.039,40.005
+1.8_D on Layer 2 "NONET_L-01_P-001" (solid, remove dead copper, pour order 18): 32.585,3.725 31.394,2.545 20.155,2.545 14.478,8.222 14.478,29.845 19.758,35.125 34.5,35.125 34.617,35.008 34.617,33.827 32.585,31.795
+1.8_A on Layer 2 "NONET_L-01_P-001" (solid, remove dead copper, pour order 19): 36.523,34.999 32.824,31.3 32.824,4.387 34.236,2.975 36.376,2.975 42.491,9.09 42.491,34.881 42.373,34.999
+5 on Layer 2 "NONET_L-01_P-001" (solid, remove dead copper, pour order 30): 43.76,39.707 44.396,39.07 44.396,33.191 44.279,33.074 43.605,33.074 42.853,33.827 42.853,36.806 42.194,37.465 27.813,37.465 25.908,35.56 18.161,35.56 15.04,32.439 11.601,32.439 11.484,32.557 11.484,34.246 11.601,34.363 14.17,34.363 19.627,39.82 43.647,39.82
GND on Layer 1 "NONET_L-01_P-001" (solid, remove dead copper, pour order 31): 0.254,40.005 0.254,0.254 58.039,0.254 58.039,40.005

## Silkscreen, mask and mechanical layers (free items; w line width, h text height)
Top Overlay:
  drawing of 14 lines, arcs and shapes, not listed
  text "Power_Fail" at 51.181,36.72 h1.52
  text "Power_On" at 51.181,33.672 h1.52
  text "1GSPS ADC" at 32.258,28.377 h5.08
  text "12-Bit ENOB>10" at 37.084,1.178 h3.17
Bottom Overlay:
  text "JLCJLCJLCJLCJLCJLC" at 8.608,32.263 h2.54 r90
  text "JLCJLCJLCJLCJLCJLC" at 18.641,32.263 h2.54 r90
Top Solder:
  region: 29.083,37.211 32.131,37.211 32.131,34.163 29.083,34.163
  region: 36.957,37.211 40.005,37.211 40.005,34.163 36.957,34.163
  region: 44.831,37.211 47.879,37.211 47.879,34.163 44.831,34.163
Bottom Solder:
  region: 47.371,20.371 47.371,23.419 44.323,23.419 44.323,20.371
  region: 47.371,5.969 47.371,9.017 44.323,9.017 44.323,5.969
  region: 28.575,23.927 33.655,23.927 33.655,18.847 28.575,18.847
  region: 28.575,9.525 33.655,9.525 33.655,4.445 28.575,4.445
Mechanical 1:
  the board outline again, w0.127